# Altium PCB SNES TST.PcbDoc (part 1 of 3)
Units mm, origin at the board's own origin, x right, y up, seen from the top; angles counter-clockwise.
Board outline 62 x 43 mm, 4 copper layers (Top Layer, Ground Layer, Power Layer, Bottom Layer), stack 1.62 mm thick; 184 components, 269 nets, 927 pads, 510 vias.
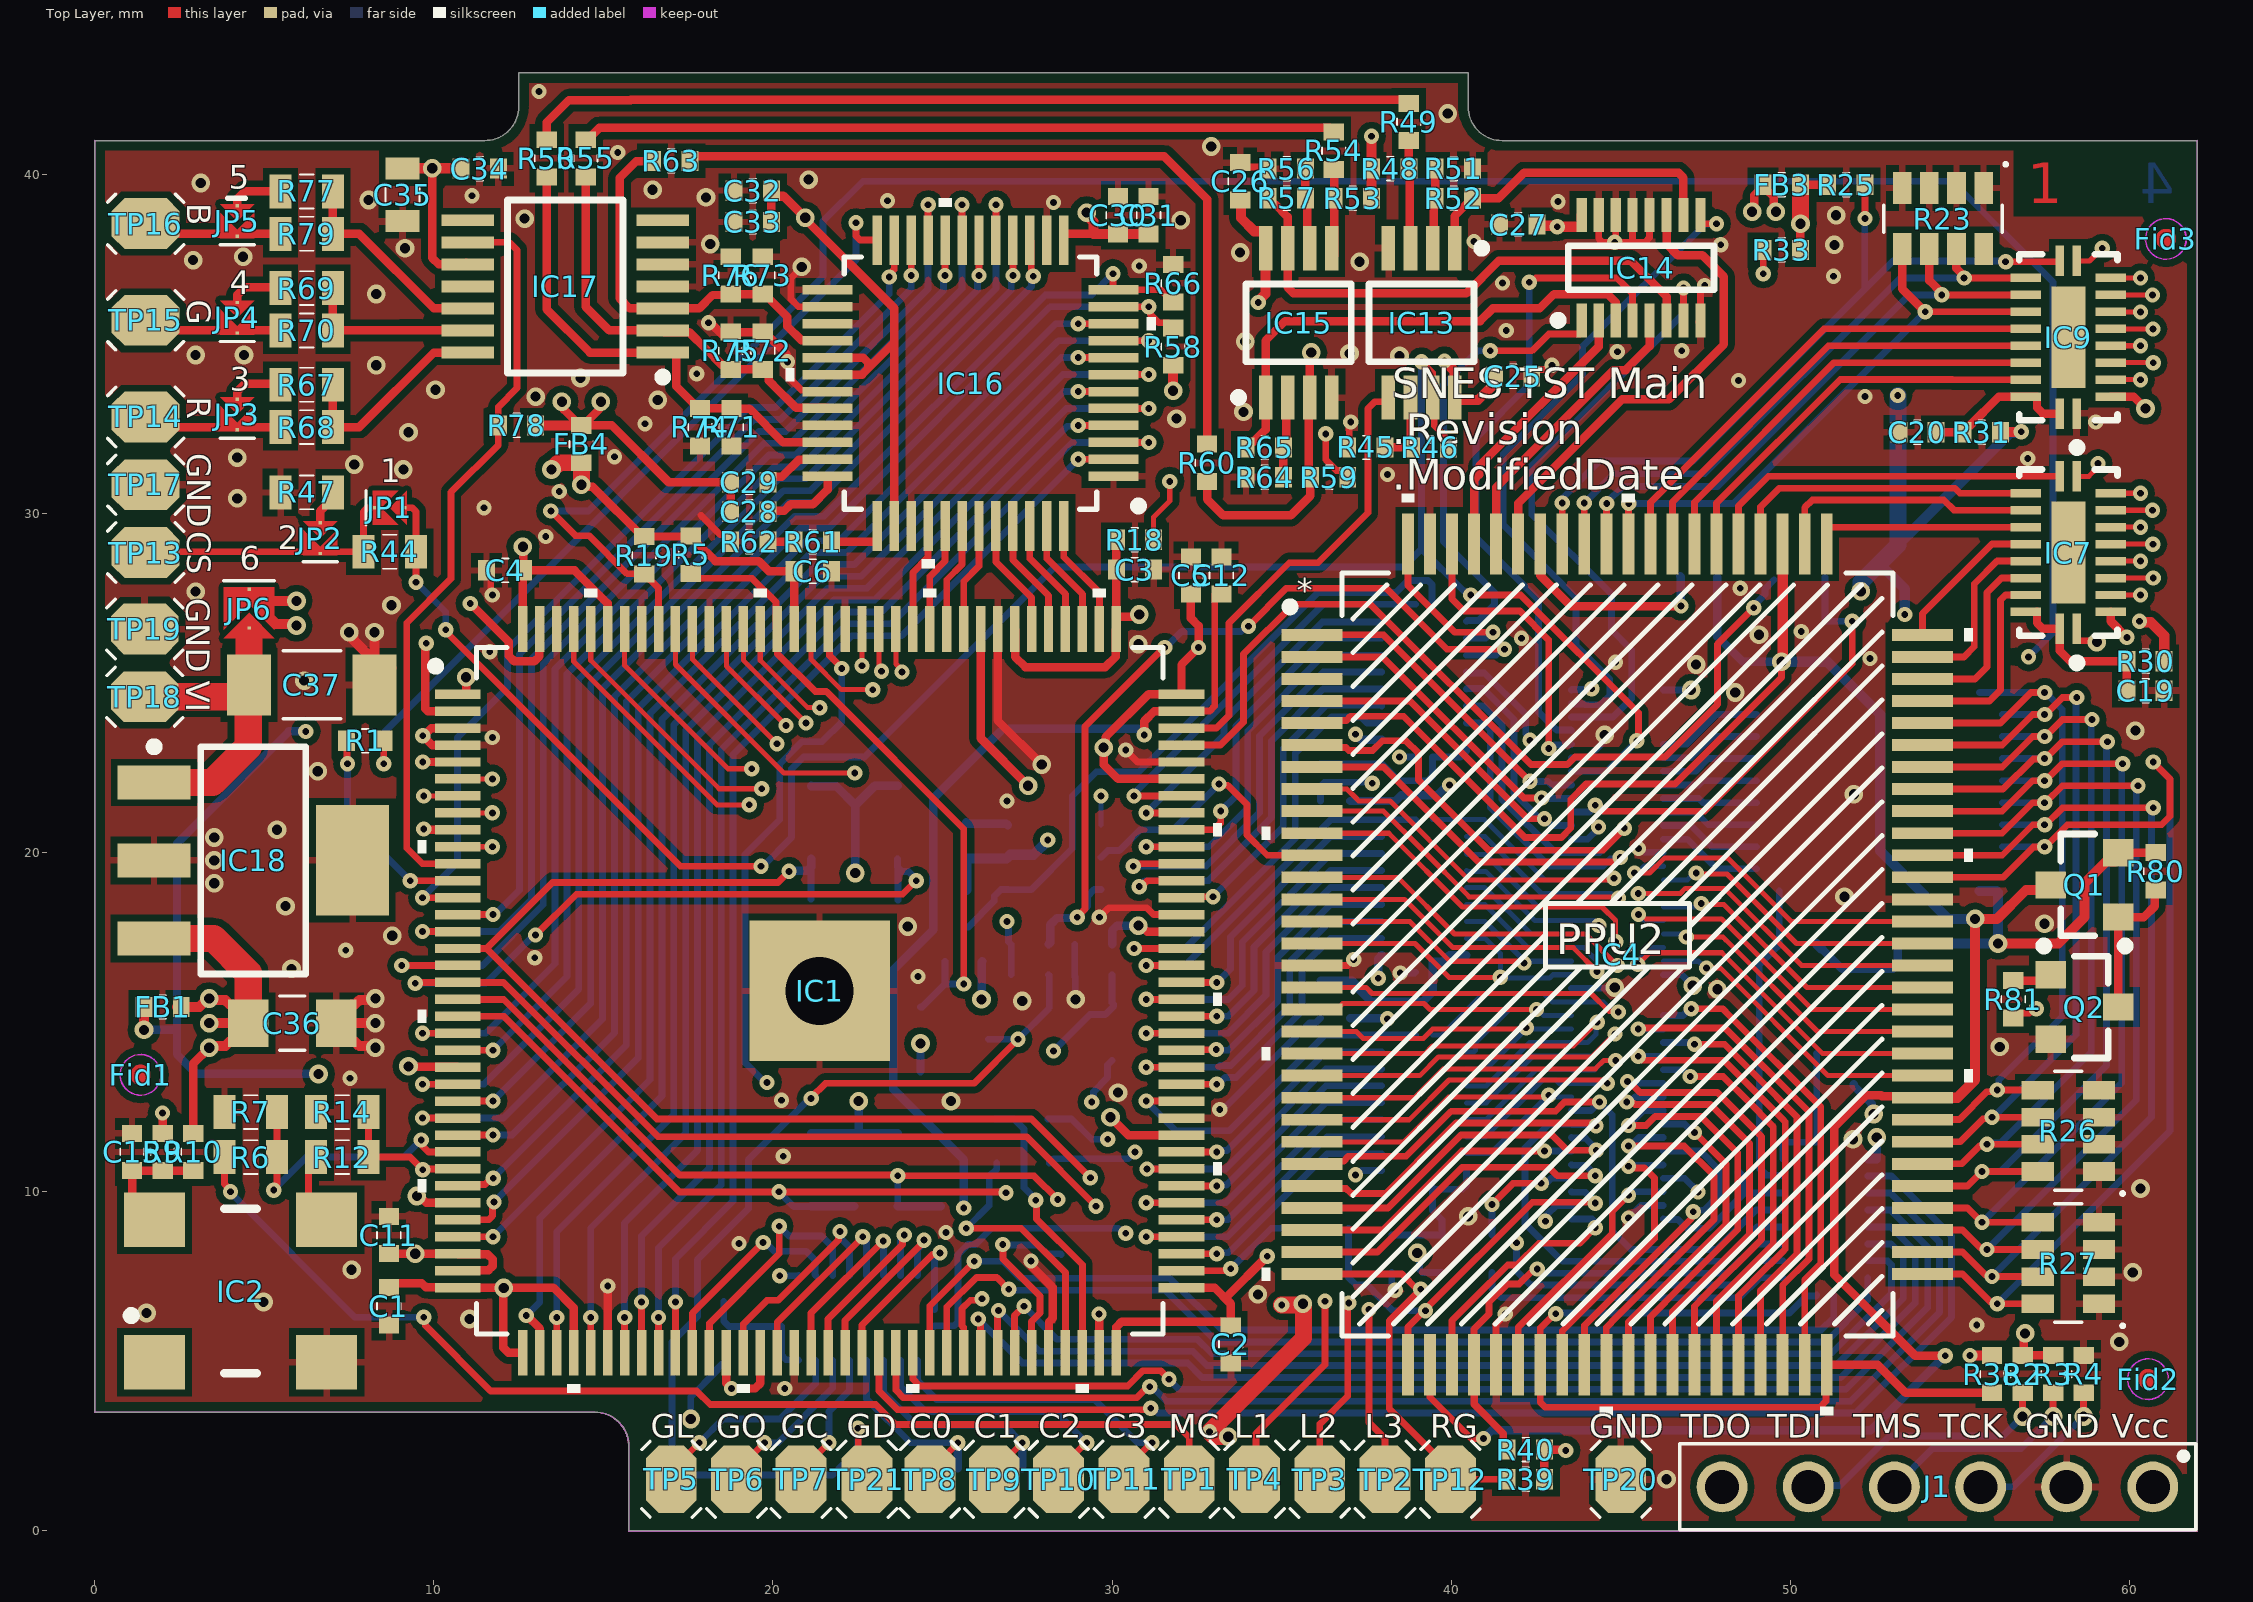
[diagram p0: Top Layer view]
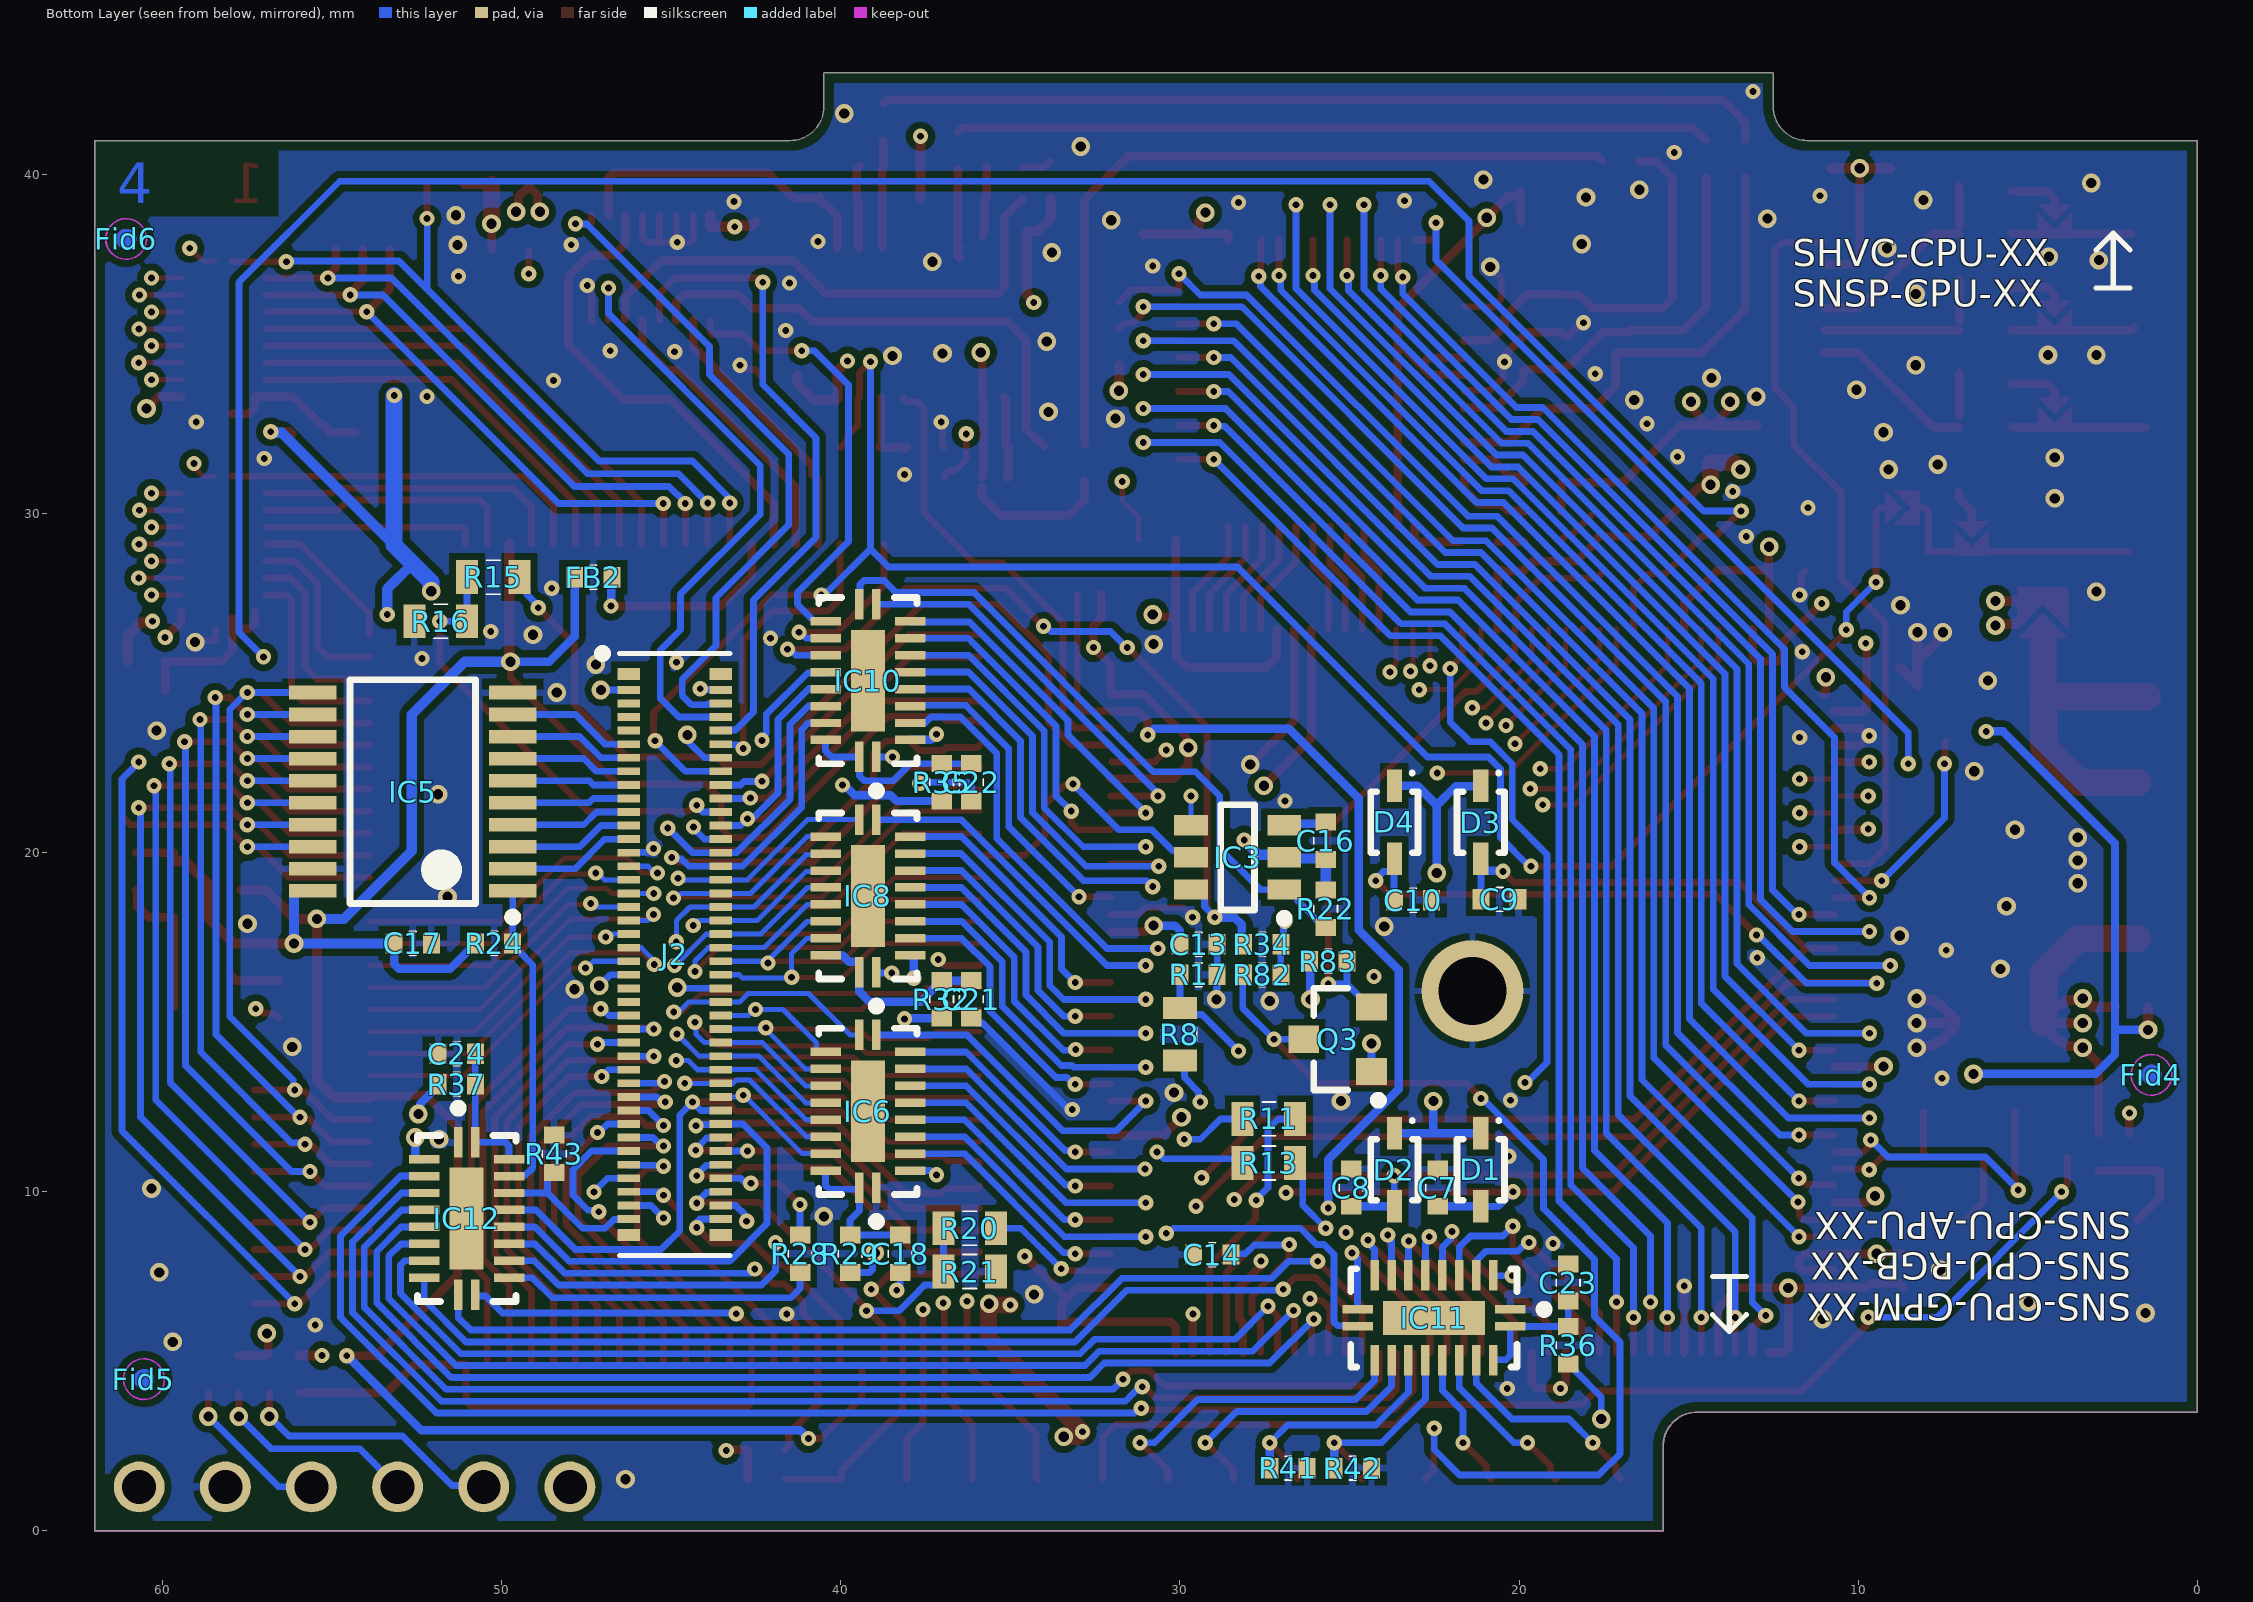
[diagram p1: Bottom Layer view, seen from below]
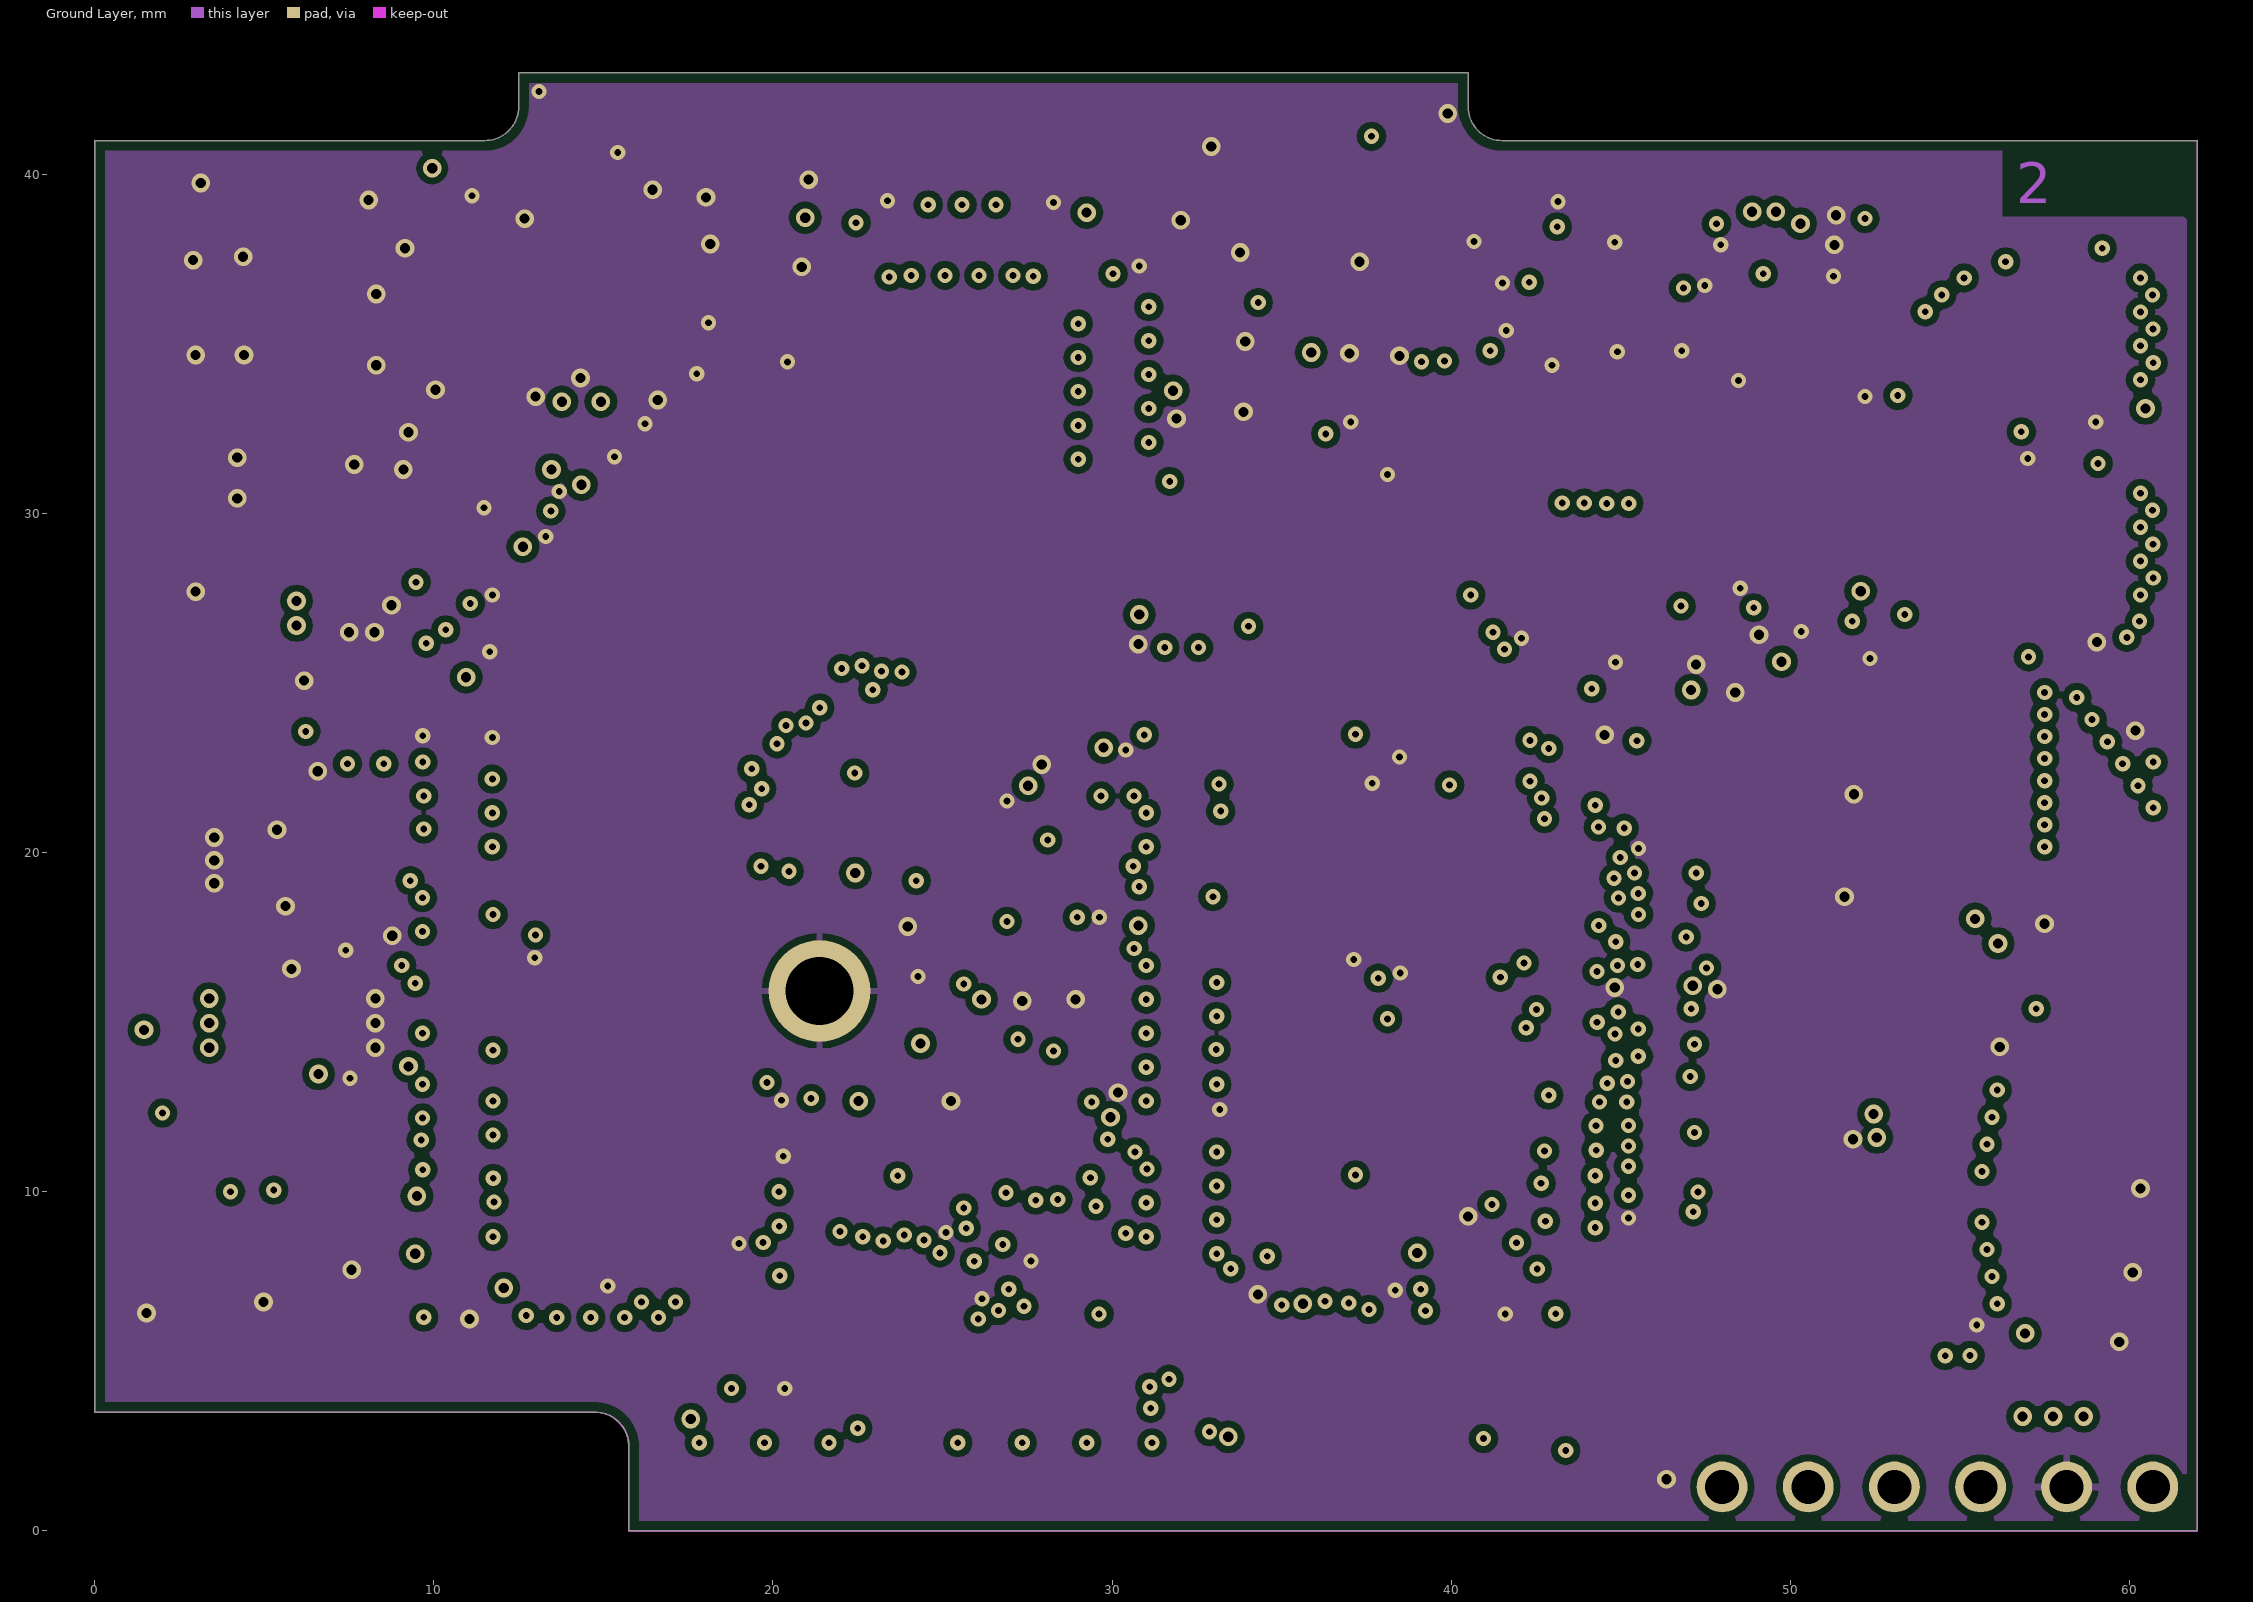
[diagram p2: Ground Layer]